# KiCad board demomatrix.kicad_pcb (continued)
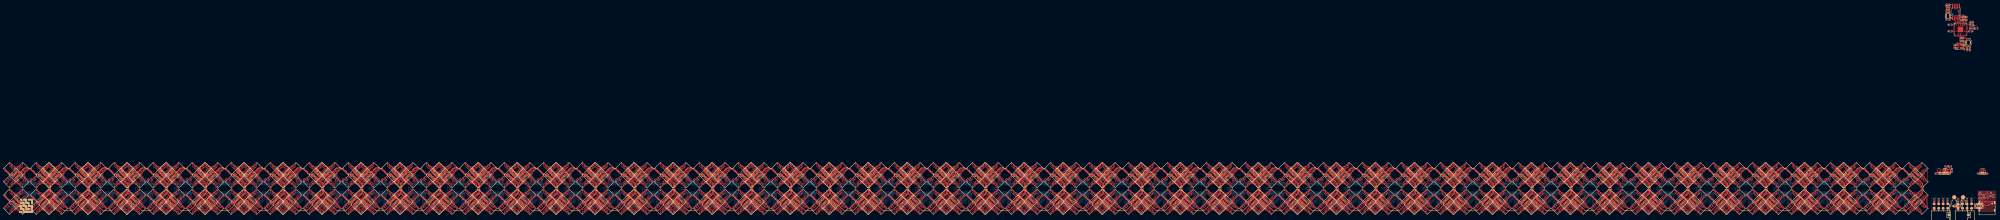
[diagram p0: board, top side]
## Routing (per net, layer and track width the routed paths; a pad name or vN(x,y) marks a point on that pad's centre or on a via; arc(x,y) is an arc through that point) (continued)
  vias: v1(32.46,4.22) v1(33.71,7.99) v2(16.71,103.12)
_core_regulator_out_power-VCC: length 9.7
  Top w0.2: U252.45 18.51,107.94 19.21,108.64 C451.1 ; 16.86,108.07 17.21,108.42 C452.1 ; 16.86,108.07 16.51,107.72 U252.50 ; 16.86,108.07 17.06,107.87 v2(17.41,107.87) 17.61,107.67 18.25,107.67 18.52,107.94 ; v2(19.11,97.87) 19.06,97.92 C453.1 18.11,98.02 17.31,98.82 U252.23
A: length 2.2
  Top w0.2: U252.37 LED787.2
cc[0]-line: length 3.4
  Top w0.2: R69.1 29.46,7.55 30.46,6.55 USB1.4
cc[1]-line: length 3.7
  Top w0.2: R70.1 33.46,6.69 USB1.10
chip_select: length 12.9
  Top w0.2: U253.1 12.3,109.03 14.11,107.22 U252.56
  Top w0.25: R62.2 10.14,113.99 C450.1 10.26,113.24 SW1.4 SW1.3 10.78,109.59 U253.1
clock: length 13.6
  Top w0.2: U252.52 v2(15.71,105.37) ; v2(14.86,114.87) 14.84,114.89 U253.6
  Bottom w0.2: v2(14.86,114.87) 14.86,114.22 16.41,112.67 16.41,108.62 16.56,108.47 16.56,107.46 15.71,106.62 v2(15.71,105.37)
clusters[0]-REXT: length 6.2
  Bottom w0.2: R1.1 -1078.33,11.6 -1075.98,9.25 -1075.58,9.25 -1075.15,9.68 U1.23
clusters[1]-REXT: length 6.2
  Bottom w0.2: U6.23 -833.15,9.68 -833.58,9.25 -833.98,9.25 -836.33,11.6 R2.1
clusters[2]-REXT: length 6.2
  Bottom w0.2: R3.1 -594.33,11.6 -591.98,9.25 -591.58,9.25 -591.15,9.68 U11.23
clusters[3]-REXT: length 6.2
  Bottom w0.2: U16.23 -349.15,9.68 -349.58,9.25 -349.98,9.25 -352.33,11.6 R4.1
clusters[4]-REXT: length 6.2
  Bottom w0.2: U21.23 -129.15,9.68 -129.58,9.25 -129.98,9.25 -132.33,11.6 R5.1
clusters[5]-REXT: length 6.2
  Bottom w0.2: U26.23 -107.15,9.68 -107.58,9.25 -107.98,9.25 -110.33,11.6 R6.1
clusters[6]-REXT: length 6.2
  Bottom w0.2: R7.1 -88.33,11.6 -85.98,9.25 -85.58,9.25 -85.15,9.68 U31.23
clusters[7]-REXT: length 6.2
  Bottom w0.2: U36.23 -63.15,9.68 -63.58,9.25 -63.98,9.25 -66.33,11.6 R8.1
clusters[8]-REXT: length 6.2
  Bottom w0.2: R9.1 -44.33,11.6 -41.98,9.25 -41.58,9.25 -41.15,9.68 U41.23
clusters[9]-REXT: length 6.2
  Bottom w0.2: U46.23 -19.15,9.68 -19.58,9.25 -19.98,9.25 -22.33,11.6 R10.1
clusters[10]-REXT: length 6.2
  Bottom w0.2: R11.1 -1056.33,11.6 -1053.98,9.25 -1053.58,9.25 -1053.15,9.68 U51.23
clusters[11]-REXT: length 6.2
  Bottom w0.2: R12.1 -1034.33,11.6 -1031.98,9.25 -1031.58,9.25 -1031.15,9.68 U56.23
clusters[12]-REXT: length 6.2
  Bottom w0.2: U61.23 -1009.15,9.68 -1009.58,9.25 -1009.98,9.25 -1012.33,11.6 R13.1
clusters[13]-REXT: length 6.2
  Bottom w0.2: U66.23 -987.15,9.68 -987.58,9.25 -987.98,9.25 -990.33,11.6 R14.1
clusters[14]-REXT: length 6.2
  Bottom w0.2: R15.1 -968.33,11.6 -965.98,9.25 -965.58,9.25 -965.15,9.68 U71.23
clusters[15]-REXT: length 6.2
  Bottom w0.2: R16.1 -946.33,11.6 -943.98,9.25 -943.58,9.25 -943.15,9.68 U76.23
clusters[16]-REXT: length 6.2
  Bottom w0.2: R17.1 -924.33,11.6 -921.98,9.25 -921.58,9.25 -921.15,9.68 U81.23
clusters[17]-REXT: length 6.2
  Bottom w0.2: U86.23 -899.15,9.68 -899.58,9.25 -899.98,9.25 -902.33,11.6 R18.1
clusters[18]-REXT: length 6.2
  Bottom w0.2: R19.1 -880.33,11.6 -877.98,9.25 -877.58,9.25 -877.15,9.68 U91.23
clusters[19]-REXT: length 6.2
  Bottom w0.2: R20.1 -858.33,11.6 -855.98,9.25 -855.58,9.25 -855.15,9.68 U96.23
clusters[20]-REXT: length 6.2
  Bottom w0.2: U101.23 -811.15,9.68 -811.58,9.25 -811.98,9.25 -814.33,11.6 R21.1
clusters[21]-REXT: length 6.2
  Bottom w0.2: R22.1 -792.33,11.6 -789.98,9.25 -789.58,9.25 -789.15,9.68 U106.23
clusters[22]-REXT: length 6.2
  Bottom w0.2: R23.1 -770.33,11.6 -767.98,9.25 -767.58,9.25 -767.15,9.68 U111.23
clusters[23]-REXT: length 6.2
  Bottom w0.2: R24.1 -748.33,11.6 -745.98,9.25 -745.58,9.25 -745.15,9.68 U116.23
clusters[24]-REXT: length 6.2
  Bottom w0.2: U121.23 -723.15,9.68 -723.58,9.25 -723.98,9.25 -726.33,11.6 R25.1
clusters[25]-REXT: length 6.2
  Bottom w0.2: R26.1 -704.33,11.6 -701.98,9.25 -701.58,9.25 -701.15,9.68 U126.23
clusters[26]-REXT: length 6.2
  Bottom w0.2: U131.23 -679.15,9.68 -679.58,9.25 -679.98,9.25 -682.33,11.6 R27.1
clusters[27]-REXT: length 6.2
  Bottom w0.2: R28.1 -660.33,11.6 -657.98,9.25 -657.58,9.25 -657.15,9.68 U136.23
clusters[28]-REXT: length 6.2
  Bottom w0.2: U141.23 -635.15,9.68 -635.58,9.25 -635.98,9.25 -638.33,11.6 R29.1
clusters[29]-REXT: length 6.2
  Bottom w0.2: R30.1 -616.33,11.6 -613.98,9.25 -613.58,9.25 -613.15,9.68 U146.23
clusters[30]-REXT: length 6.2
  Bottom w0.2: R31.1 -572.33,11.6 -569.98,9.25 -569.58,9.25 -569.15,9.68 U151.23
clusters[31]-REXT: length 6.2
  Bottom w0.2: R32.1 -550.33,11.6 -547.98,9.25 -547.58,9.25 -547.15,9.68 U156.23
clusters[32]-REXT: length 6.2
  Bottom w0.2: R33.1 -528.33,11.6 -525.98,9.25 -525.58,9.25 -525.15,9.68 U161.23
clusters[33]-REXT: length 6.2
  Bottom w0.2: U166.23 -503.15,9.68 -503.58,9.25 -503.98,9.25 -506.33,11.6 R34.1
clusters[34]-REXT: length 6.2
  Bottom w0.2: R35.1 -484.33,11.6 -481.98,9.25 -481.58,9.25 -481.15,9.68 U171.23
clusters[35]-REXT: length 6.2
  Bottom w0.2: R36.1 -462.33,11.6 -459.98,9.25 -459.58,9.25 -459.15,9.68 U176.23
clusters[36]-REXT: length 6.2
  Bottom w0.2: R37.1 -440.33,11.6 -437.98,9.25 -437.58,9.25 -437.15,9.68 U181.23
clusters[37]-REXT: length 6.2
  Bottom w0.2: U186.23 -415.15,9.68 -415.58,9.25 -415.98,9.25 -418.33,11.6 R38.1
clusters[38]-REXT: length 6.2
  Bottom w0.2: U191.23 -393.15,9.68 -393.58,9.25 -393.98,9.25 -396.33,11.6 R39.1
clusters[39]-REXT: length 6.2
  Bottom w0.2: R40.1 -374.33,11.6 -371.98,9.25 -371.58,9.25 -371.15,9.68 U196.23
clusters[40]-REXT: length 6.2
  Bottom w0.2: U201.23 -327.15,9.68 -327.58,9.25 -327.98,9.25 -330.33,11.6 R41.1
clusters[41]-REXT: length 6.2
  Bottom w0.2: U206.23 -305.15,9.68 -305.58,9.25 -305.98,9.25 -308.33,11.6 R42.1
clusters[42]-REXT: length 6.2
  Bottom w0.2: U211.23 -283.15,9.68 -283.58,9.25 -283.98,9.25 -286.33,11.6 R43.1
clusters[43]-REXT: length 6.2
  Bottom w0.2: U216.23 -261.15,9.68 -261.58,9.25 -261.98,9.25 -264.33,11.6 R44.1
clusters[44]-REXT: length 6.2
  Bottom w0.2: U221.23 -239.15,9.68 -239.58,9.25 -239.98,9.25 -242.33,11.6 R45.1
clusters[45]-REXT: length 6.2
  Bottom w0.2: R46.1 -220.33,11.6 -217.98,9.25 -217.58,9.25 -217.15,9.68 U226.23
clusters[46]-REXT: length 6.2
  Bottom w0.2: U231.23 -195.15,9.68 -195.58,9.25 -195.98,9.25 -198.33,11.6 R47.1
clusters[47]-REXT: length 6.2
  Bottom w0.2: U236.23 -173.15,9.68 -173.58,9.25 -173.98,9.25 -176.33,11.6 R48.1
clusters[48]-REXT: length 6.2
  Bottom w0.2: R49.1 -154.33,11.6 -151.98,9.25 -151.58,9.25 -151.15,9.68 U241.23
data_0: length 10.3
  Top w0.2: U253.5 16.11,114.52 15.46,113.86 15.46,107.86 15.31,107.72 U252.53
data_1: length 3.3
  Top w0.2: U253.2 13.58,108.35 14.51,107.42 U252.55
data_2: length 2.9
  Top w0.2: U252.54 14.91,107.82 14.84,107.89 U253.3
data_3: length 11
  Top w0.2: U253.7 13.58,114.87 v2(13.59,114.87) ; v2(16.01,107.97) 16.11,107.86 U252.51
  Bottom w0.2: v2(13.59,114.87) 16.01,112.45 v2(16.01,107.97)
debug_header-_2-0: length 1.7
  Top w0.2: U247.2 1.9,6.02 R50.2
debug_header-_2-1: length 1.7
  Top w0.2: U248.2 15.36,6.02 R54.2
debug_header-_4-0: length 1.7
  Top w0.2: R51.2 4.44,6.09 U247.4
debug_header-_4-1: length 1.7
  Top w0.2: U248.4 17.9,6.09 R55.2
debug_header-_6-0: length 1.8
  Top w0.2: U247.6 6.98,6.1 6.95,6.13 R52.2
debug_header-_6-1: length 1.8
  Top w0.2: U248.6 20.44,6.1 20.41,6.13 R56.2
debug_header-_8-0: length 1.8
  Top w0.2: R53.2 9.49,6.17 9.52,6.14 U247.8
debug_header-_8-1: length 1.8
  Top w0.2: U248.8 22.98,6.14 22.95,6.17 R57.2
footprint-cathode-0: length 1.3
  Top w0.2: 12.15,3.13 LED785.1
footprint-cathode-1: length 1.4
  Top w0.2: 14.11,3.12 LED786.1
input: length 9.6
  Top w0.2: U252.26 18.51,98.82 18.71,98.62 19.51,98.62 20.14,97.99 SW2.3
  Top w0.25: R65.2 20.78,92.25 C465.1 20.66,93 SW2.4 SW2.3
K: length 1.3
  Top w0.2: LED787.1 R64.2
output: length 2.8
  Top w0.25: C455.1 18.39,94.04 18.39,94.37 ; X1.3 18.39,94.37 ; 18.39,94.37 R63.1
power_5v: length 172
  Top w0.2: U249.6 6.76,22.25 C445.1 5.22,21.49 v1(5.2,21.47) ; v1(6.2,21.47) 6.22,21.49 C447.1 7.76,22.25 U250.6 ; U255.1 30.66,22.27 C468.1 32.24,21.49 v1(32.25,21.48) ; v1(26.2,21.47) 26.22,21.49 C467.1 27.76,22.25 U254.6 ; C470.1 v1(33.96,11.12) ; U246.6 3.76,22.25 C443.1 2.22,21.49 v1(2.2,21.47)
  Top w0.25: C448.1 11.07,21.97 U251.3 10.66,21.62 9.92,20.88 9.52,20.88 9.32,21.08 9.32,21.08 8.76,21.63 U251.1
  Top w0.5: v1(27.71,11.37) F1.2
  Top w0.53: v1(31.71,11.12) D1.5
  Bottom w0.2: C432.1 -174.68,12.53 -173.78,11.63 U236.24 ; U211.24 -283.78,11.63 -284.68,12.53 C387.1 ; C198.1 -790.68,12.53 -789.78,11.63 U106.24 ; C306.1 -504.68,12.53 -503.78,11.63 U166.24 ; C216.1 -746.68,12.53 -745.78,11.63 U116.24 ; U81.24 -921.78,11.63 -922.68,12.53 C153.1 ; U6.24 -833.78,11.63 -834.68,12.53 C18.1 ; U136.24 -657.78,11.63 -658.68,12.53 C252.1 ; C45.1 -130.68,12.53 -129.78,11.63 U21.24 ; C279.1 -570.68,12.53 -569.78,11.63 U151.24 ; U111.24 -767.78,11.63 -768.68,12.53 C207.1 ; U201.24 -327.78,11.63 -328.68,12.53 C369.1 ; C72.1 -64.68,12.53 -63.78,11.63 U36.24 ; C189.1 -812.68,12.53 -811.78,11.63 U101.24 ; U141.24 -635.78,11.63 -636.68,12.53 C261.1 ; C144.1 -944.68,12.53 -943.78,11.63 U76.24 ; C351.1 -394.68,12.53 -393.78,11.63 U191.24 ; C99.1 -1054.68,12.53 -1053.78,11.63 U51.24 ; C342.1 -416.68,12.53 -415.78,11.63 U186.24 ; C225.1 -724.68,12.53 -723.78,11.63 U121.24 ; U146.24 -613.78,11.63 -614.68,12.53 C270.1 ; C180.1 -856.68,12.53 -855.78,11.63 U96.24 ; U161.24 -525.78,11.63 -526.68,12.53 C297.1 ; U241.24 -151.78,11.63 -152.68,12.53 C441.1 ; C414.1 -218.68,12.53 -217.78,11.63 U226.24 ; C36.1 -350.68,12.53 -349.78,11.63 U16.24 ; U71.24 -965.78,11.63 -966.68,12.53 C135.1 ; C423.1 -196.68,12.53 -195.78,11.63 U231.24 ; U91.24 -877.78,11.63 -878.68,12.53 C171.1 ; U126.24 -701.78,11.63 -702.68,12.53 C234.1 ; C324.1 -460.68,12.53 -459.78,11.63 U176.24 ; U66.24 -987.78,11.63 -988.68,12.53 C126.1 ; U216.24 -261.78,11.63 -262.68,12.53 C396.1 ; C243.1 -680.68,12.53 -679.78,11.63 U131.24 ; C63.1 -86.68,12.53 -85.78,11.63 U31.24 ; U156.24 -547.78,11.63 -548.68,12.53 C288.1 ; U196.24 -371.78,11.63 -372.68,12.53 C360.1 ; U171.24 -481.78,11.63 -482.68,12.53 C315.1 ; C108.1 -1032.68,12.53 -1031.78,11.63 U56.24 ; C27.1 -592.68,12.53 -591.78,11.63 U11.24 ; C333.1 -438.68,12.53 -437.78,11.63 U181.24 ; U86.24 -899.78,11.63 -900.68,12.53 C162.1 ; U26.24 -107.78,11.63 -108.68,12.53 C54.1 ; U1.24 -1075.78,11.63 -1076.68,12.53 C9.1 ; U41.24 -41.78,11.63 -42.68,12.53 C81.1 ; U46.24 -19.78,11.63 -20.68,12.53 C90.1 ; C117.1 -1010.68,12.53 -1009.78,11.63 U61.24 ; C405.1 -240.68,12.53 -239.78,11.63 U221.24 ; U206.24 -305.78,11.63 -306.68,12.53 C378.1
  Bottom w0.5: v1(33.96,11.12) v1(31.71,11.12) 27.96,11.12 v1(27.71,11.37)
power_leds: length 4997.5
  Top w0.2: LED141.8 LED141.2 ; LED525.8 LED525.2 ; -998.19,23.9 LED209.8 LED209.2 ; LED225.2 LED225.8 -976.19,23.9 ; LED577.2 LED577.8 -448.19,23.9 ; LED705.2 LED705.8 -250.19,23.9 ; LED669.8 LED669.2 ; LED273.2 LED273.8 -910.19,23.9 ; LED57.8 LED57.2 ; LED81.2 LED81.8 -118.19,23.9 ; LED629.8 LED629.2 ; LED633.8 LED633.2 ; LED317.8 LED317.2 ; LED177.2 LED177.8 -1042.19,23.9 ; LED385.2 LED385.8 -734.19,23.9 ; LED205.8 LED205.2 ; LED557.8 LED557.2 ; -822.19,23.9 LED321.8 LED321.2 ; LED229.8 LED229.2 ; LED1.2 LED1.8 -1086.19,23.9 ; LED745.8 LED745.2 ; LED533.8 LED533.2 ; LED769.2 LED769.8 -162.19,23.9 ; LED277.8 LED277.2 ; LED241.2 LED241.8 -954.19,23.9 ; LED501.8 LED501.2 ; LED381.8 LED381.2 ; LED93.8 LED93.2 ; LED673.2 LED673.8 -294.19,23.9 ; LED269.8 LED269.2 ; LED597.8 LED597.2 ; LED21.8 LED21.2 ; LED249.8 LED249.2 ; LED261.8 LED261.2 ; LED33.2 LED33.8 -602.19,23.9 ; LED697.8 LED697.2 ; LED29.8 LED29.2 ; LED621.8 LED621.2 ; -888.19,23.9 LED289.8 LED289.2 ; LED237.8 LED237.2 ; LED481.2 LED481.8 -580.19,23.9 ; LED49.2 LED49.8 -360.19,23.9 ; LED293.8 LED293.2 ; -800.19,23.9 LED337.8 LED337.2 ; LED297.8 LED297.2 ; LED661.8 LED661.2 ; LED457.8 LED457.2 ; LED721.2 LED721.8 -228.19,23.9 ; LED17.2 LED17.8 -844.19,23.9 ; LED505.8 LED505.2 ; LED97.2 LED97.8 -96.19,23.9 ; -74.19,23.9 LED113.8 LED113.2 ; LED217.8 LED217.2 ; LED417.2 LED417.8 -690.19,23.9 ; LED589.8 LED589.2 ; LED353.2 LED353.8 -778.19,23.9 ; -316.19,23.9 LED657.8 LED657.2 ; LED257.2 LED257.8 -932.19,23.9 ; LED565.8 LED565.2 ; -756.19,23.9 LED369.8 LED369.2 ; LED477.8 LED477.2 ; LED357.8 LED357.2 ; LED497.2 LED497.8 -558.19,23.9 ; LED9.8 LED9.2 ; LED613.8 LED613.2 ; LED213.8 LED213.2 ; LED61.8 LED61.2 ; LED493.8 LED493.2 ; LED137.8 LED137.2 ; LED161.2 LED161.8 -1064.19,23.9 ; -668.19,23.9 LED433.8 LED433.2 ; LED429.8 LED429.2 ; LED401.2 LED401.8 -712.19,23.9 ; LED69.8 LED69.2 ; LED709.8 LED709.2 ; LED561.2 LED561.8 -470.19,23.9 ; LED245.8 LED245.2 ; LED461.8 LED461.2 ; LED685.8 LED685.2 ; LED145.2 LED145.8 -30.19,23.9 ; LED73.8 LED73.2 ; LED221.8 LED221.2 ; LED53.8 LED53.2 ; LED189.8 LED189.2 ; LED761.8 LED761.2 ; LED445.8 LED445.2 ; -492.19,23.9 LED545.8 LED545.2 ; LED373.8 LED373.2 ; LED397.8 LED397.2 ; LED325.8 LED325.2 ; LED181.8 LED181.2 ; LED765.8 LED765.2 ; LED693.8 LED693.2 ; LED109.8 LED109.2 ; LED301.8 LED301.2 ; LED41.8 LED41.2 ; LED365.8 LED365.2 ; LED601.8 LED601.2 ; LED689.2 LED689.8 -272.19,23.9 ; LED197.8 LED197.2 ; LED153.8 LED153.2 ; LED253.8 LED253.2 ; LED405.8 LED405.2 ; LED305.2 LED305.8 -866.19,23.9 ; LED729.8 LED729.2 ; LED665.8 LED665.2 ; LED65.2 LED65.8 -140.19,23.9 ; LED773.8 LED773.2 ; LED777.8 LED777.2 ; LED489.8 LED489.2 ; LED593.2 LED593.8 -426.19,23.9 ; -404.19,23.9 LED609.8 LED609.2 ; -1020.19,23.9 LED193.8 LED193.2 ; LED329.8 LED329.2 ; -338.19,23.9 LED641.8 LED641.2 ; LED285.8 LED285.2 ; LED377.8 LED377.2 ; LED485.8 LED485.2 ; LED149.8 LED149.2 ; LED617.8 LED617.2 ; -536.19,23.9 LED513.8 LED513.2 ; LED529.2 LED529.8 -514.19,23.9 ; LED125.8 LED125.2 ; LED441.8 LED441.2 ; LED77.8 LED77.2 ; LED169.8 LED169.2 ; LED345.8 LED345.2 ; LED569.8 LED569.2 ; LED185.8 LED185.2 ; LED309.8 LED309.2 ; LED233.8 LED233.2 ; LED713.8 LED713.2 ; LED717.8 LED717.2 ; LED725.8 LED725.2 ; LED5.8 LED5.2 ; LED389.8 LED389.2 ; LED437.8 LED437.2 ; LED349.8 LED349.2 ; LED361.8 LED361.2 ; LED121.8 LED121.2 ; LED605.8 LED605.2 ; LED201.8 LED201.2 ; LED409.8 LED409.2 ; LED625.2 LED625.8 -382.19,23.9 ; -624.19,23.9 LED465.8 LED465.2 ; LED553.8 LED553.2 ; LED681.8 LED681.2 ; LED157.8 LED157.2 ; LED449.2 LED449.8 -646.19,23.9 ; LED573.8 LED573.2 ; LED541.8 LED541.2 ; LED129.2 LED129.8 -52.19,23.9 ; LED521.8 LED521.2 ; LED637.8 LED637.2 ; LED89.8 LED89.2 ; LED25.8 LED25.2 ; LED737.2 LED737.8 -206.19,23.9 ; LED45.8 LED45.2 ; LED509.8 LED509.2 ; LED781.8 LED781.2 ; LED741.8 LED741.2 ; LED333.8 LED333.2 ; LED265.8 LED265.2 ; LED453.8 LED453.2 ; LED749.8 LED749.2 ; LED425.8 LED425.2 ; LED757.8 LED757.2 ; LED173.8 LED173.2 ; LED393.8 LED393.2 ; LED537.8 LED537.2 ; LED581.8 LED581.2 ; LED645.8 LED645.2 ; LED413.8 LED413.2 ; LED85.8 LED85.2 ; LED753.2 LED753.8 -184.19,23.9 ; LED473.8 LED473.2 ; LED341.8 LED341.2 ; LED585.8 LED585.2 ; LED101.8 LED101.2 ; LED701.8 LED701.2 ; LED165.8 LED165.2 ; LED649.8 LED649.2 ; LED677.8 LED677.2 ; LED117.8 LED117.2 ; LED313.8 LED313.2 ; LED105.8 LED105.2 ; LED421.8 LED421.2 ; LED653.8 LED653.2 ; LED517.8 LED517.2 ; LED37.8 LED37.2 ; LED733.8 LED733.2 ; LED469.8 LED469.2 ; LED133.8 LED133.2 ; LED13.8 LED13.2 ; LED281.8 LED281.2 ; LED549.8 LED549.2
  Top w0.5: v1(-339.47,6.29) -338.65,7.11 C34.1 ; LED477.2 -605.75,5.46 C266.1 ; v1(-667.52,9.7) -668.26,8.97 LED441.2 -664.95,5.66 C246.1 -663.2,5.65 C249.1 -660.51,4 -658.56,2.05 v1(-658.38,2.05) -658.2,1.86 -658.15,1.86 -656.8,0.51 -651.76,0.51 -648.54,3.74 -648.54,4.63 -648.24,4.93 C248.1 ; C17.1 -826.07,20.78 LED21.2 -829.39,24.09 -830.22,24.09 -831.13,25 -831.5,25 -831.88,24.63 -833.01,24.63 -835.49,22.15 -835.91,22.15 -835.92,22.16 -836.3,22.16 -836.31,22.15 C11.1 -837.5,22.15 C10.1 ; C17.1 -824.17,20.72 C13.1 -821.85,18.4 -821.14,18.4 -818.67,15.92 -818.67,14.79 -818.28,14.41 -818.28,11.78 -818.66,11.4 -818.66,10.27 -821.14,7.79 -822.18,7.79 -822.65,7.32 C16.1 ; C17.1 -824.17,20.69 v1(-825.06,19.8) ; C179.1 -846.17,20.69 v1(-847.06,19.8) ; C179.1 -846.17,20.72 C175.1 -843.85,18.4 -843.14,18.4 -840.67,15.92 -840.67,14.79 -840.28,14.41 -840.28,11.78 -840.66,11.4 -840.66,10.27 -843.14,7.79 -844.18,7.79 -844.65,7.32 C178.1 ; C179.1 -848.07,20.78 LED309.2 -851.39,24.09 -852.22,24.09 -853.13,25 -853.5,25 -853.88,24.63 -855.01,24.63 -857.49,22.15 -857.91,22.15 -857.92,22.16 -858.3,22.16 -858.31,22.15 C173.1 -859.5,22.15 C172.1 ; C86.1 -11.75,5.46 LED157.2 ; C86.1 -10.24,5.51 C88.1 ; C86.1 -10.24,4.93 -10.54,4.63 -10.54,3.74 -13.76,0.51 -18.8,0.51 -20.15,1.86 -20.2,1.86 v1(-20.38,2.05) -20.56,2.05 -22.51,4 C87.1 -25.2,5.65 C84.1 -26.95,5.66 LED153.2 -30.26,8.97 v1(-29.52,9.7) ; C97.1 -1042.65,7.32 -1042.18,7.79 -1041.14,7.79 -1039.37,9.56 -1038.66,10.27 -1038.66,11.4 -1038.28,11.78 -1038.28,14.41 -1038.67,14.79 -1038.67,15.92 -1041.14,18.4 -1041.85,18.4 C94.1 -1044.17,20.72 C98.1 ; C97.1 -1042.65,7.11 v1(-1043.47,6.29) ; C97.1 -1044.24,5.51 C95.1 ; C428.1 -165.75,5.46 LED765.2 ; C428.1 -164.24,4.93 -164.54,4.63 -164.54,3.74 -167.76,0.51 -172.8,0.51 -174.15,1.86 -174.2,1.86 v1(-174.38,2.05) -174.56,2.05 -176.51,4 C429.1 -179.2,5.65 C426.1 -180.95,5.66 LED761.2 -184.26,8.97 v1(-183.52,9.7) ; C428.1 -164.24,5.51 C430.1 ; C214.1 -736.24,5.51 C212.1 ; C214.1 -734.65,7.32 -734.18,7.79 -733.14,7.79 -731.37,9.56 -730.66,10.27 -730.66,11.4 -730.28,11.78 -730.28,14.41 -730.67,14.79 -730.67,15.92 -733.14,18.4 -733.85,18.4 C211.1 -736.17,20.72 C215.1 ; C214.1 -734.65,7.11 v1(-735.47,6.29) ; C278.1 -560.17,20.69 v1(-561.06,19.8) ; C278.1 -560.17,20.72 C274.1 -557.85,18.4 -557.14,18.4 -554.67,15.92 -554.67,14.79 -554.28,14.41 -554.28,11.78 -554.66,11.4 -554.66,10.27 -557.14,7.79 -558.18,7.79 -558.65,7.32 C277.1 ; C278.1 -562.07,20.78 LED485.2 -565.39,24.09 -566.22,24.09 -567.13,25 -567.5,25 -567.88,24.63 -569.01,24.63 -571.49,22.15 -571.91,22.15 -571.92,22.16 -572.3,22.16 -572.31,22.15 C272.1 -573.5,22.15 C271.1 ; C80.1 -34.07,20.78 LED133.2 -37.39,24.09 -38.22,24.09 -39.13,25 -39.5,25 -39.88,24.63 -41.01,24.63 -43.49,22.15 -43.91,22.15 -43.92,22.16 -44.3,22.16 -44.31,22.15 C74.1 -45.5,22.15 C73.1 ; C80.1 -32.17,20.72 C76.1 -29.85,18.4 -29.14,18.4 -26.67,15.92 -26.67,14.79 -26.28,14.41 -26.28,11.78 -26.66,11.4 -26.66,10.27 -29.14,7.79 -30.18,7.79 -30.65,7.32 C79.1 ; C80.1 -32.17,20.69 v1(-33.06,19.8) ; C14.1 -824.24,5.51 C16.1 ; C14.1 -824.24,4.93 -824.54,4.63 -824.54,3.74 -827.76,0.51 -832.8,0.51 -834.15,1.86 -834.2,1.86 v1(-834.38,2.05) -834.56,2.05 -836.51,4 C15.1 -839.2,5.65 C12.1 -840.95,5.66 LED25.2 -844.26,8.97 v1(-843.52,9.7) ; C14.1 -825.75,5.46 LED29.2 ; C190.1 -793.5,22.15 C191.1 -792.31,22.15 -792.3,22.16 -791.92,22.16 -791.91,22.15 -791.49,22.15 -789.01,24.63 -787.88,24.63 -787.5,25 -787.13,25 -786.22,24.09 -785.39,24.09 LED341.2 -782.07,20.78 C197.1 ; C190.1 -796.73,20.44 -800.19,23.9 ; C190.1 -795.21,20.54 v1(-796.06,21.39) ; v1(-51.52,9.7) -52.26,8.97 LED137.2 -48.95,5.66 C75.1 -47.2,5.65 C78.1 -44.51,4 -42.56,2.05 v1(-42.38,2.05) -42.2,1.86 -42.15,1.86 -40.8,0.51 -35.76,0.51 -32.54,3.74 -32.54,4.63 -32.24,4.93 C77.1 ; v1(-803.06,19.8) -802.17,20.69 C188.1 ; C296.1 -516.17,20.72 C292.1 -513.85,18.4 -513.14,18.4 -510.67,15.92 -510.67,14.79 -510.28,14.41 -510.28,11.78 -510.66,11.4 -510.66,10.27 -513.14,7.79 -514.18,7.79 -514.65,7.32 C295.1 ; C296.1 -516.17,20.69 v1(-517.06,19.8) ; C296.1 -518.07,20.78 LED517.2 -521.39,24.09 -522.22,24.09 -523.13,25 -523.5,25 -523.88,24.63 -525.01,24.63 -527.49,22.15 -527.91,22.15 -527.92,22.16 -528.3,22.16 -528.31,22.15 C290.1 -529.5,22.15 C289.1 ; C197.1 -780.17,20.69 v1(-781.06,19.8) ; C197.1 -780.17,20.72 C193.1 -777.85,18.4 -777.14,18.4 -774.67,15.92 -774.67,14.79 -774.28,14.41 -774.28,11.78 -774.66,11.4 -774.66,10.27 -777.14,7.79 -778.18,7.79 -778.65,7.32 C196.1 ; C376.1 -294.65,7.32 -294.18,7.79 -293.14,7.79 -291.37,9.56 -290.66,10.27 -290.66,11.4 -290.28,11.78 -290.28,14.41 -290.67,14.79 -290.67,15.92 -293.14,18.4 -293.85,18.4 C373.1 -296.17,20.72 C377.1 ; C376.1 -296.24,5.51 C374.1 ; C376.1 -294.65,7.11 v1(-295.47,6.29) ; C341.1 -406.17,20.72 C337.1 -403.85,18.4 -403.14,18.4 -400.67,15.92 -400.67,14.79 -400.28,14.41 -400.28,11.78 -400.66,11.4 -400.66,10.27 -403.14,7.79 -404.18,7.79 -404.65,7.32 C340.1 ; C341.1 -406.17,20.69 v1(-407.06,19.8) ; C341.1 -408.07,20.78 LED597.2 -411.39,24.09 -412.22,24.09 -413.13,25 -413.5,25 -413.88,24.63 -415.01,24.63 -417.49,22.15 -417.91,22.15 -417.92,22.16 -418.3,22.16 -418.31,22.15 C335.1 -419.5,22.15 C334.1 ; C334.1 -422.73,20.44 -426.19,23.9 ; C334.1 -421.21,20.54 v1(-422.06,21.39) ; C35.1 -340.17,20.72 C31.1 -337.85,18.4 -337.14,18.4 -334.67,15.92 -334.67,14.79 -334.28,14.41 -334.28,11.78 -334.66,11.4 -334.66,10.27 -337.14,7.79 -338.18,7.79 -338.65,7.32 C34.1 ; C35.1 -340.17,20.69 v1(-341.06,19.8) ; C35.1 -342.07,20.78 LED53.2 -345.39,24.09 -346.22,24.09 -347.13,25 -347.5,25 -347.88,24.63 -349.01,24.63 -351.49,22.15 -351.91,22.15 -351.92,22.16 -352.3,22.16 -352.31,22.15 C29.1 -353.5,22.15 C28.1 ; C289.1 -531.21,20.54 v1(-532.06,21.39) ; C289.1 -532.73,20.44 -536.19,23.9 ; C206.1 -760.07,20.78 LED357.2 -763.39,24.09 -764.22,24.09 -765.13,25 -765.5,25 -765.88,24.63 -767.01,24.63 -769.49,22.15 -769.91,22.15 -769.92,22.16 -770.3,22.16 -770.31,22.15 C200.1 -771.5,22.15 C199.1 ; C206.1 -758.17,20.72 C202.1 -755.85,18.4 -755.14,18.4 -752.67,15.92 -752.67,14.79 -752.28,14.41 -752.28,11.78 -752.66,11.4 -752.66,10.27 -755.14,7.79 -756.18,7.79 -756.65,7.32 C205.1 ; C206.1 -758.17,20.69 v1(-759.06,19.8) ; C194.1 -780.24,5.51 C196.1 ; C194.1 -781.75,5.46 LED349.2 ; C194.1 -780.24,4.93 -780.54,4.63 -780.54,3.74 -783.76,0.51 -788.8,0.51 -790.15,1.86 -790.2,1.86 v1(-790.38,2.05) -790.56,2.05 -792.51,4 C195.1 -795.2,5.65 C192.1 -796.95,5.66 LED345.2 -800.26,8.97 v1(-799.52,9.7) ; C311.1 -472.24,5.51 C313.1 ; C311.1 -473.75,5.46 LED557.2 ; C311.1 -472.24,4.93 -472.54,4.63 -472.54,3.74 -475.76,0.51 -480.8,0.51 -482.15,1.86 -482.2,1.86 v1(-482.38,2.05) -482.56,2.05 -484.51,4 C312.1 -487.2,5.65 C309.1 -488.95,5.66 LED553.2 -492.26,8.97 v1(-491.52,9.7) ; C365.1 -318.24,4.93 -318.54,4.63 -318.54,3.74 -321.76,0.51 -326.8,0.51 -328.15,1.86 -328.2,1.86 v1(-328.38,2.05) -328.56,2.05 -330.51,4 C366.1 -333.2,5.65 C363.1 -334.95,5.66 LED649.2 -338.26,8.97 v1(-337.52,9.7) ; C365.1 -318.24,5.51 C367.1 ; C365.1 -319.75,5.46 LED653.2 ; C178.1 -846.24,5.51 C176.1 ; C178.1 -844.65,7.11 v1(-845.47,6.29) ; C241.1 -668.65,7.11 v1(-669.47,6.29) ; C241.1 -668.65,7.32 -668.18,7.79 -667.14,7.79 -665.37,9.56 -664.66,10.27 -664.66,11.4 -664.28,11.78 -664.28,14.41 -664.67,14.79 -664.67,15.92 -667.14,18.4 -667.85,18.4 C238.1 -670.17,20.72 C242.1 ; C241.1 -670.24,5.51 C239.1 ; v1(-994.06,21.39) -993.21,20.54 C118.1 ; C1.1 -1079.5,22.15 C2.1 -1078.31,22.15 -1078.3,22.16 -1077.92,22.16 -1077.91,22.15 -1077.49,22.15 -1075.01,24.63 -1073.88,24.63 -1073.5,25 -1073.13,25 -1072.22,24.09 -1071.39,24.09 LED5.2 -1068.07,20.78 C8.1 ; C1.1 -1082.73,20.44 -1086.19,23.9 ; C1.1 -1081.21,20.54 v1(-1082.06,21.39) ; C268.1 -602.65,7.32 -602.18,7.79 -601.14,7.79 -599.37,9.56 -598.66,10.27 -598.66,11.4 -598.28,11.78 -598.28,14.41 -598.67,14.79 -598.67,15.92 -601.14,18.4 -601.85,18.4 C265.1 -604.17,20.72 C269.1 ; C268.1 -604.24,5.51 C266.1 ; C268.1 -602.65,7.11 v1(-603.47,6.29) ; C404.1 -230.17,20.69 v1(-231.06,19.8) ; C404.1 -232.07,20.78 LED709.2 -235.39,24.09 -236.22,24.09 -237.13,25 -237.5,25 -237.88,24.63 -239.01,24.63 -241.49,22.15 -241.91,22.15 -241.92,22.16 -242.3,22.16 -242.31,22.15 C398.1 -243.5,22.15 C397.1 ; C404.1 -230.17,20.72 C400.1 -227.85,18.4 -227.14,18.4 -224.67,15.92 -224.67,14.79 -224.28,14.41 -224.28,11.78 -224.66,11.4 -224.66,10.27 -227.14,7.79 -228.18,7.79 -228.65,7.32 C403.1 ; v1(-99.06,19.8) -98.17,20.69 C53.1 ; C422.1 -186.17,20.72 C418.1 -183.85,18.4 -183.14,18.4 -180.67,15.92 -180.67,14.79 -180.28,14.41 -180.28,11.78 -180.66,11.4 -180.66,10.27 -183.14,7.79 -184.18,7.79 -184.65,7.32 C421.1 ; C422.1 -186.17,20.69 v1(-187.06,19.8) ; C422.1 -188.07,20.78 LED741.2 -191.39,24.09 -192.22,24.09 -193.13,25 -193.5,25 -193.88,24.63 -195.01,24.63 -197.49,22.15 -197.91,22.15 -197.92,22.16 -198.3,22.16 -198.31,22.15 C416.1 -199.5,22.15 C415.1 ; C343.1 -400.73,20.44 -404.19,23.9 ; C343.1 -399.21,20.54 v1(-400.06,21.39) ; C343.1 -397.5,22.15 C344.1 -396.31,22.15 -396.3,22.16 -395.92,22.16 -395.91,22.15 -395.49,22.15 -393.01,24.63 -391.88,24.63 -391.5,25 -391.13,25 -390.22,24.09 -389.39,24.09 LED613.2 -386.07,20.78 C350.1 ; v1(-31.47,6.29) -30.65,7.11 C79.1 ; C82.1 -25.21,20.54 v1(-26.06,21.39) ; C82.1 -23.5,22.15 C83.1 -22.31,22.15 -22.3,22.16 -21.92,22.16 -21.91,22.15 -21.49,22.15 -19.01,24.63 -17.88,24.63 -17.5,25 -17.13,25 -16.22,24.09 -15.39,24.09 LED149.2 -12.07,20.78 C89.1 ; C82.1 -26.73,20.44 -30.19,23.9 ; C397.1 -246.73,20.44 -250.19,23.9 ; C397.1 -245.21,20.54 v1(-246.06,21.39) ; C419.1 -186.24,4.93 -186.54,4.63 -186.54,3.74 -189.76,0.51 -194.8,0.51 -196.15,1.86 -196.2,1.86 v1(-196.38,2.05) -196.56,2.05 -198.51,4 C420.1 -201.2,5.65 C417.1 -202.95,5.66 LED745.2 -206.26,8.97 v1(-205.52,9.7) ; C419.1 -186.24,5.51 C421.1 ; C419.1 -187.75,5.46 LED749.2 ; LED269.2 -913.75,5.46 C149.1 ; C302.1 -494.24,5.51 C304.1 ; C302.1 -495.75,5.46 LED541.2 ; C302.1 -494.24,4.93 -494.54,4.63 -494.54,3.74 -497.76,0.51 -502.8,0.51 -504.15,1.86 -504.2,1.86 v1(-504.38,2.05) -504.56,2.05 -506.51,4 C303.1 -509.2,5.65 C300.1 -510.95,5.66 LED537.2 -514.26,8.97 v1(-513.52,9.7) ; C169.1 -866.65,7.11 v1(-867.47,6.29) ; C169.1 -866.65,7.32 -866.18,7.79 -865.14,7.79 -863.37,9.56 -862.66,10.27 -862.66,11.4 -862.28,11.78 -862.28,14.41 -862.67,14.79 -862.67,15.92 -865.14,18.4 -865.85,18.4 C166.1 -868.17,20.72 C170.1 ; C169.1 -868.24,5.51 C167.1 ; C115.1 -998.65,7.32 -998.18,7.79 -997.14,7.79 -995.37,9.56 -994.66,10.27 -994.66,11.4 -994.28,11.78 -994.28,14.41 -994.67,14.79 -994.67,15.92 -997.14,18.4 -997.85,18.4 C112.1 -1000.17,20.72 C116.1 ; C115.1 -1000.24,5.51 C113.1 ; C115.1 -998.65,7.11 v1(-999.47,6.29) ; v1(-1041.52,9.7) -1042.26,8.97 LED185.2 -1038.95,5.66 C102.1 -1037.2,5.65 C105.1 -1034.51,4 -1032.56,2.05 v1(-1032.38,2.05) -1032.2,1.86 -1032.15,1.86 -1030.8,0.51 -1025.76,0.51 -1022.54,3.74 -1022.54,4.63 -1022.24,4.93 C104.1 ; C388.1 -268.73,20.44 -272.19,23.9 ; C388.1 -267.21,20.54 v1(-268.06,21.39) ; C388.1 -265.5,22.15 C389.1 -264.31,22.15 -264.3,22.16 -263.92,22.16 -263.91,22.15 -263.49,22.15 -261.01,24.63 -259.88,24.63 -259.5,25 -259.13,25 -258.22,24.09 -257.39,24.09 LED693.2 -254.07,20.78 C395.1 ; C347.1 -385.75,5.46 LED621.2 ; C347.1 -384.24,4.93 -384.54,4.63 -384.54,3.74 -387.76,0.51 -392.8,0.51 -394.15,1.86 -394.2,1.86 v1(-394.38,2.05) -394.56,2.05 -396.51,4 C348.1 -399.2,5.65 C345.1 -400.95,5.66 LED617.2 -404.26,8.97 v1(-403.52,9.7) ; C347.1 -384.24,5.51 C349.1 ; C280.1 -553.21,20.54 v1(-554.06,21.39) ; C280.1 -551.5,22.15 C281.1 -550.31,22.15 -550.3,22.16 -549.92,22.16 -549.91,22.15 -549.49,22.15 -547.01,24.63 -545.88,24.63 -545.5,25 -545.13,25 -544.22,24.09 -543.39,24.09 LED501.2 -540.07,20.78 C287.1 ; C280.1 -554.73,20.44 -558.19,23.9 ; C100.1 -1037.21,20.54 v1(-1038.06,21.39) ; C100.1 -1038.73,20.44 -1042.19,23.9 ; C100.1 -1035.5,22.15 C101.1 -1034.31,22.15 -1034.3,22.16 -1033.92,22.16 -1033.91,22.15 -1033.49,22.15 -1031.01,24.63 -1029.88,24.63 -1029.5,25 -1029.13,25 -1028.22,24.09 -1027.39,24.09 LED181.2 -1024.07,20.78 C107.1 ; v1(-297.06,19.8) -296.17,20.69 C377.1 ; v1(-686.06,21.39) -685.21,20.54 C235.1 ; LED237.2 -957.75,5.46 C131.1 ; C233.1 -692.17,20.69 v1(-693.06,19.8) ; C233.1 -692.17,20.72 C229.1 -689.85,18.4 -689.14,18.4 -686.67,15.92 -686.67,14.79 -686.28,14.41 -686.28,11.78 -686.66,11.4 -686.66,10.27 -689.14,7.79 -690.18,7.79 -690.65,7.32 C232.1 ; C233.1 -694.07,20.78 LED405.2 -697.39,24.09 -698.22,24.09 -699.13,25 -699.5,25 -699.88,24.63 -701.01,24.63 -703.49,22.15 -703.91,22.15 -703.92,22.16 -704.3,22.16 -704.31,22.15 C227.1 -705.5,22.15 C226.1 ; C370.1 -311.21,20.54 v1(-312.06,21.39) ; C370.1 -309.5,22.15 C371.1 -308.31,22.15 -308.3,22.16 -307.92,22.16 -307.91,22.15 -307.49,22.15 -305.01,24.63 -303.88,24.63 -303.5,25 -303.13,25 -302.22,24.09 -301.39,24.09 LED661.2 -298.07,20.78 C377.1 ; C370.1 -312.73,20.44 -316.19,23.9 ; v1(-515.47,6.29) -514.65,7.11 C295.1 ; C284.1 -538.24,4.93 -538.54,4.63 -538.54,3.74 -541.76,0.51 -546.8,0.51 -548.15,1.86 -548.2,1.86 v1(-548.38,2.05) -548.56,2.05 -550.51,4 C285.1 -553.2,5.65 C282.1 -554.95,5.66 LED505.2 -558.26,8.97 v1(-557.52,9.7) ; C284.1 -539.75,5.46 LED509.2 ; C284.1 -538.24,5.51 C286.1 ; C170.1 -868.17,20.69 v1(-869.06,19.8) ; C170.1 -870.07,20.78 LED293.2 -873.39,24.09 -874.22,24.09 -875.13,25 -875.5,25 -875.88,24.63 -877.01,24.63 -879.49,22.15 -879.91,22.15 -879.92,22.16 -880.3,22.16 -880.31,22.15 C164.1 -881.5,22.15 C163.1 ; v1(-383.47,6.29) -382.65,7.11 C349.1 ; C163.1 -883.21,20.54 v1(-884.06,21.39) ; C163.1 -884.73,20.44 -888.19,23.9 ; C430.1 -162.65,7.32 -162.18,7.79 -161.14,7.79 -159.37,9.56 -158.66,10.27 -158.66,11.4 -158.28,11.78 -158.28,14.41 -158.67,14.79 -158.67,15.92 -161.14,18.4 -161.85,18.4 C427.1 -164.17,20.72 C431.1 ; C430.1 -162.65,7.11 v1(-163.47,6.29) ; C232.1 -692.24,5.51 C230.1 ; C232.1 -690.65,7.11 v1(-691.47,6.29) ; C142.1 -934.24,5.51 C140.1 ; C142.1 -932.65,7.11 v1(-933.47,6.29) ; C142.1 -932.65,7.32 -932.18,7.79 -931.14,7.79 -929.37,9.56 -928.66,10.27 -928.66,11.4 -928.28,11.78 -928.28,14.41 -928.67,14.79 -928.67,15.92 -931.14,18.4 -931.85,18.4 C139.1 -934.17,20.72 C143.1 ; C185.1 -803.75,5.46 LED333.2 ; C185.1 -802.24,4.93 -802.54,4.63 -802.54,3.74 -805.76,0.51 -810.8,0.51 -812.15,1.86 -812.2,1.86 v1(-812.38,2.05) -812.56,2.05 -814.51,4 C186.1 -817.2,5.65 C183.1 -818.95,5.66 LED329.2 -822.26,8.97 v1(-821.52,9.7) ; C185.1 -802.24,5.51 C187.1 ; v1(-425.52,9.7) -426.26,8.97 LED601.2 -422.95,5.66 C336.1 -421.2,5.65 C339.1 -418.51,4 -416.56,2.05 v1(-416.38,2.05) -416.2,1.86 -416.15,1.86 -414.8,0.51 -409.76,0.51 -406.54,3.74 -406.54,4.63 -406.24,4.93 C338.1 ; LED61.2 -341.75,5.46 C32.1 ; C136.1 -950.73,20.44 -954.19,23.9 ; C136.1 -947.5,22.15 C137.1 -946.31,22.15 -946.3,22.16 -945.92,22.16 -945.91,22.15 -945.49,22.15 -943.01,24.63 -941.88,24.63 -941.5,25 -941.13,25 -940.22,24.09 -939.39,24.09 LED245.2 -936.07,20.78 C143.1 ; C136.1 -949.21,20.54 v1(-950.06,21.39) ; C383.1 -274.24,4.93 -274.54,4.63 -274.54,3.74 -277.76,0.51 -282.8,0.51 -284.15,1.86 -284.2,1.86 v1(-284.38,2.05) -284.56,2.05 -286.51,4 C384.1 -289.2,5.65 C381.1 -290.95,5.66 LED681.2 -294.26,8.97 v1(-293.52,9.7) ; C383.1 -274.24,5.51 C385.1 ; C383.1 -275.75,5.46 LED685.2 ; C368.1 -320.07,20.78 LED645.2 -323.39,24.09 -324.22,24.09 -325.13,25 -325.5,25 -325.88,24.63 -327.01,24.63 -329.49,22.15 -329.91,22.15 -329.92,22.16 -330.3,22.16 -330.31,22.15 C362.1 -331.5,22.15 C361.1 ; C368.1 -318.17,20.72 C364.1 -315.85,18.4 -315.14,18.4 -312.67,15.92 -312.67,14.79 -312.28,14.41 -312.28,11.78 -312.66,11.4 -312.66,10.27 -315.14,7.79 -316.18,7.79 -316.65,7.32 C367.1 ; C368.1 -318.17,20.69 v1(-319.06,19.8) ; v1(-755.52,9.7) -756.26,8.97 LED377.2 -752.95,5.66 C210.1 -751.2,5.65 C213.1 -748.51,4 -746.56,2.05 v1(-746.38,2.05) -746.2,1.86 -746.15,1.86 -744.8,0.51 -739.76,0.51 -736.54,3.74 -736.54,4.63 -736.24,4.93 C212.1 ; C329.1 -428.24,4.93 -428.54,4.63 -428.54,3.74 -431.76,0.51 -436.8,0.51 -438.15,1.86 -438.2,1.86 v1(-438.38,2.05) -438.56,2.05 -440.51,4 C330.1 -443.2,5.65 C327.1 -444.95,5.66 LED585.2 -448.26,8.97 v1(-447.52,9.7) ; C329.1 -429.75,5.46 LED589.2 ; C329.1 -428.24,5.51 C331.1 ; C257.1 -626.24,5.51 C259.1 ; C257.1 -627.75,5.46 LED461.2 ; C257.1 -626.24,4.93 -626.54,4.63 -626.54,3.74 -629.76,0.51 -634.8,0.51 -636.15,1.86 -636.2,1.86 v1(-636.38,2.05) -636.56,2.05 -638.51,4 C258.1 -641.2,5.65 C255.1 -642.95,5.66 LED457.2 -646.26,8.97 v1(-645.52,9.7) ; v1(-75.47,6.29) -74.65,7.11 C61.1 ; C392.1 -252.24,5.51 C394.1 ; C392.1 -252.24,4.93 -252.54,4.63 -252.54,3.74 -255.76,0.51 -260.8,0.51 -262.15,1.86 -262.2,1.86 v1(-262.38,2.05) -262.56,2.05 -264.51,4 C393.1 -267.2,5.65 C390.1 -268.95,5.66 LED697.2 -272.26,8.97 v1(-271.52,9.7) ; C392.1 -253.75,5.46 LED701.2 ; v1(-290.06,21.39) -289.21,20.54 C379.1 ; -294.19,23.9 -290.73,20.44 C379.1 ; v1(-55.06,19.8) -54.17,20.69 C71.1 ; v1(-664.06,21.39) -663.21,20.54 C244.1 ; -690.19,23.9 -686.73,20.44 C235.1 ; C253.1 -641.21,20.54 v1(-642.06,21.39) ; C253.1 -642.73,20.44 -646.19,23.9 ; C253.1 -639.5,22.15 C254.1 -638.31,22.15 -638.3,22.16 -637.92,22.16 -637.91,22.15 -637.49,22.15 -635.01,24.63 -633.88,24.63 -633.5,25 -633.13,25 -632.22,24.09 -631.39,24.09 LED453.2 -628.07,20.78 C260.1 ; LED77.2 -121.75,5.46 C41.1 ; v1(-909.52,9.7) -910.26,8.97 LED281.2 -906.95,5.66 C156.1 -905.2,5.65 C159.1 -902.51,4 -900.56,2.05 v1(-900.38,2.05) -900.2,1.86 -900.15,1.86 -898.8,0.51 -893.76,0.51 -890.54,3.74 -890.54,4.63 -890.24,4.93 C158.1 ; v1(-11.06,19.8) -10.17,20.69 C89.1 ; LED733.2 -209.75,5.46 C410.1 ; C323.1 -450.17,20.69 v1(-451.06,19.8) ; C323.1 -450.17,20.72 C319.1 -447.85,18.4 -447.14,18.4 -444.67,15.92 -444.67,14.79 -444.28,14.41 -444.28,11.78 -444.66,11.4 -444.66,10.27 -447.14,7.79 -448.18,7.79 -448.65,7.32 C322.1 ; C323.1 -452.07,20.78 LED565.2 -455.39,24.09 -456.22,24.09 -457.13,25 -457.5,25 -457.88,24.63 -459.01,24.63 -461.49,22.15 -461.91,22.15 -461.92,22.16 -462.3,22.16 -462.31,22.15 C317.1 -463.5,22.15 C316.1 ; C10.1 -839.21,20.54 v1(-840.06,21.39) ; C10.1 -840.73,20.44 -844.19,23.9 ; C55.1 -91.21,20.54 v1(-92.06,21.39) ; C55.1 -92.73,20.44 -96.19,23.9 ; C55.1 -89.5,22.15 C56.1 -88.31,22.15 -88.3,22.16 -87.92,22.16 -87.91,22.15 -87.49,22.15 -85.01,24.63 -83.88,24.63 -83.5,25 -83.13,25 -82.22,24.09 -81.39,24.09 LED101.2 -78.07,20.78 C62.1 ; LED141.2 -33.75,5.46 C77.1 ; C322.1 -450.24,5.51 C320.1 ; C322.1 -448.65,7.11 v1(-449.47,6.29) ; -668.19,23.9 -664.73,20.44 C244.1 ; C70.1 -54.24,5.51 C68.1 ; C70.1 -52.65,7.11 v1(-53.47,6.29) ; C70.1 -52.65,7.32 -52.18,7.79 -51.14,7.79 -49.37,9.56 -48.66,10.27 -48.66,11.4 -48.28,11.78 -48.28,14.41 -48.67,14.79 -48.67,15.92 -51.14,18.4 -51.85,18.4 C67.1 -54.17,20.72 C71.1 ; v1(-185.47,6.29) -184.65,7.11 C421.1 ; C259.1 -624.65,7.11 v1(-625.47,6.29) ; C259.1 -624.65,7.32 -624.18,7.79 -623.14,7.79 -621.37,9.56 -620.66,10.27 -620.66,11.4 -620.28,11.78 -620.28,14.41 -620.67,14.79 -620.67,15.92 -623.14,18.4 -623.85,18.4 C256.1 -626.17,20.72 C260.1 ; v1(-997.52,9.7) -998.26,8.97 LED217.2 -994.95,5.66 C120.1 -993.2,5.65 C123.1 -990.51,4 -988.56,2.05 v1(-988.38,2.05) -988.2,1.86 -988.15,1.86 -986.8,0.51 -981.76,0.51 -978.54,3.74 -978.54,4.63 -978.24,4.93 C122.1 ; C62.1 -76.17,20.69 v1(-77.06,19.8) ; C62.1 -76.17,20.72 C58.1 -73.85,18.4 -73.14,18.4 -70.67,15.92 -70.67,14.79 -70.28,14.41 -70.28,11.78 -70.66,11.4 -70.66,10.27 -73.14,7.79 -74.18,7.79 -74.65,7.32 C61.1 ; C106.1 -1020.65,7.11 v1(-1021.47,6.29) ; C106.1 -1022.24,5.51 C104.1 ; C106.1 -1020.65,7.32 -1020.18,7.79 -1019.14,7.79 -1017.37,9.56 -1016.66,10.27 -1016.66,11.4 -1016.28,11.78 -1016.28,14.41 -1016.67,14.79 -1016.67,15.92 -1019.14,18.4 -1019.85,18.4 C103.1 -1022.17,20.72 C107.1 ; C188.1 -804.07,20.78 LED325.2 -807.39,24.09 -808.22,24.09 -809.13,25 -809.5,25 -809.88,24.63 -811.01,24.63 -813.49,22.15 -813.91,22.15 -813.92,22.16 -814.3,22.16 -814.31,22.15 C182.1 -815.5,22.15 C181.1 ; C188.1 -802.17,20.72 C184.1 -799.85,18.4 -799.14,18.4 -796.67,15.92 -796.67,14.79 -796.28,14.41 -796.28,11.78 -796.66,11.4 -796.66,10.27 -799.14,7.79 -800.18,7.79 -800.65,7.32 C187.1 ; C412.1 -206.65,7.32 -206.18,7.79 -205.14,7.79 -203.37,9.56 -202.66,10.27 -202.66,11.4 